# Allegro board F407_PACK_V10C.brd (continued)
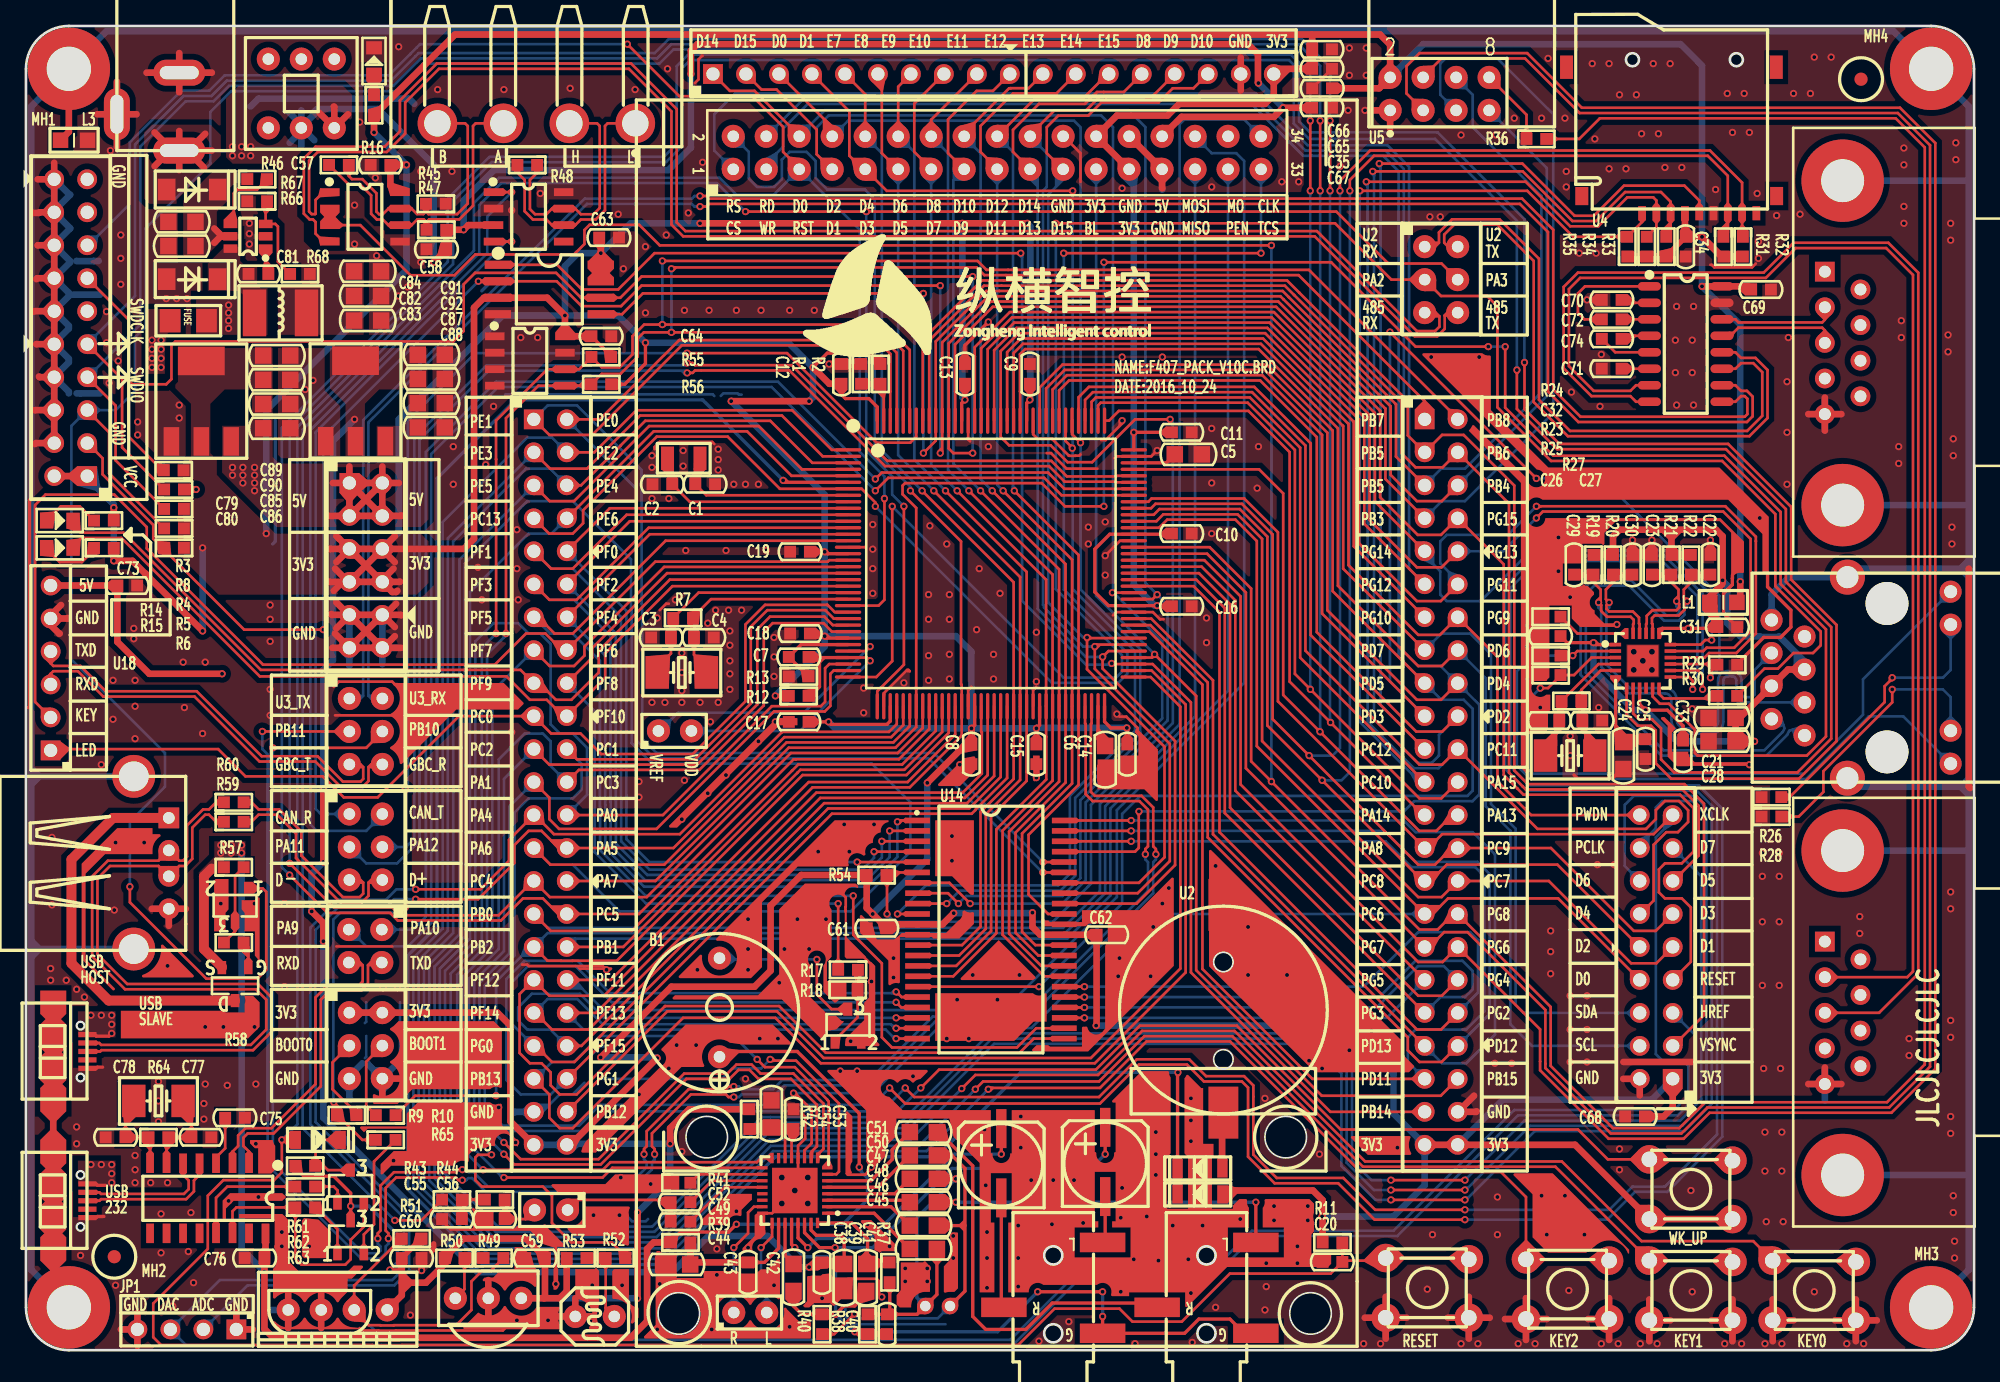
[diagram p0: board, top side]
## Routing (per net, layer and track width the routed paths; a pad name or vN(x,y) marks a point on that pad's centre or on a via; arc(x,y) is an arc through that point) (continued)
VCC_3V3_WM8978: length 108.2
  TOP w0.254: U9.31 60.45,9.25 60.85,8.85 62.75,8.85 63,8.6 C39.1
  TOP w0.508: v1(60.3,6.4) 60.94,6.4 C38.1 62.88,6.76 C39.1 ; v1(22.9,31.5) 22.9,32.9 v1(22,33.8) ; v1(22.9,43.2) v1(22.9,37.6)
  BOTTOM w0.508: v1(22,33.8) 22,36.7 v1(22.9,37.6) ; v1(22.9,43.2) 22.9,52.4 23.64,53.14 23.64,70.04 v1(25.3,71.7) ; v1(22.9,31.5) 22.9,17.9 34.78,6.02 49.78,6.02 52.56,8.8 57.1,8.8 59.5,6.4 v1(60.3,6.4)
VCC_5V: length 291.4
  TOP w0.254: v1(64.16,14.1) 64.16,18.24 59.39,23.01 53.81,23.01 B1.1 ; R39.2 49.64,8.34 50.4,9.1 53.44,9.1 53.45,9.09 53.95,9.09 53.96,9.1 54.1,9.1 v1(54.7,9.7)
  TOP w0.508: J20.3 J20.1 ; J20.3 23.24,64.26 23.2,64.3 ; J20.3 J20.2 ; J20.3 J20.4 ; J20.1 J20.2 ; J20.1 23.63,66.8 ; J20.1 J20.4 ; J20.1 24.9,68.07 ; J20.4 J20.2 ; J20.4 28.86,64.26 28.9,64.3 ; J20.2 27.44,68.07 ; J20.2 28.71,66.8 ; J13.28 88.98,95 96.1,95 v1(96.8,95.7) C67.2 ; v1(51.2,98.3) 51.2,100.09 51.71,100.6 94.1,100.6 94.86,99.84 94.86,97.64 v1(94.9,97.6) ; R39.2 48.32,8.3 47.83,7.8 47.83,2.23 46.56,0.96 28.72,0.96 28.7,0.94 26.92,0.94 26.9,0.96 19.04,0.96 18.36,1.64 v1(18.36,6.04) C76.2 18.45,7.18 U19.16 ; v1(15.1,52.1) 9.5,52.1 7.04,54.56 C73.2 U18.6 ; U11.3 34.06,86.66 v1(33.7,86.3) R47.1 C58.2 32.36,84.76 v1(31.4,83.8)
  TOP w0.762: Q2.2 15.08,29.52 13.7,30.9 13.7,36.5 14.3,37.1
  BOTTOM w0.254: v1(64.16,14.1) 64.16,13.9 64.8,13.26 64.8,11.6 62.9,9.7 v1(54.7,9.7)
  BOTTOM w0.508: v1(51.2,98.3) 51.2,92.63 49.47,90.9 36.04,90.9 33.7,88.56 v1(33.7,86.3) ; 21.2,93.9 U21.2 ; 21.2,93.9 21.2,92.7 ; 21.2,93.9 20.3,93 ; U21.2 21.25,94.15 22.2,93.2 ; U21.2 21.2,94.2 ; v1(96.8,95.7) v1(94.9,97.6) ; 21.2,94.2 21.2,94.4 ; 21.2,94.2 22.2,95.2 22.2,95.4 22.4,95.6 27.1,95.6 31.4,91.3 v1(31.4,83.8) ; 21.2,94.4 21.2,95.5 ; 21.2,94.4 20.3,95.3 ; v1(16.6,38.3) 16.6,7.8 v1(18.36,6.04)
  vias: v1(15,38.9) v1(15,38.3) v1(15.8,38.9) v1(15.8,38.3) v1(15.9,68) v1(15.9,67.4) v1(16.6,38.9) v1(16.7,68) v1(16.7,67.4) v1(16.7,66.8) v1(17.6,68) v1(17.6,67.4) v1(17.6,66.8) v1(17.6,66.2)
VCC_LAN8720A: length 76.8
  TOP w0.254: U3.9 124.25,49.75 v1(124.7,49.3) 126.39,49.3 127.6,48.09 C33.1 ; U3.1 120.85,54.35 v1(120.7,54.5) 118.66,54.5 C32.1 ; C31.1 130.14,55.6 v1(128,55.6) 126,55.6 125.75,55.35 U3.19
  TOP w0.508: J9.5 135.68,52.43 J9.4 131.8,48.55 131.8,48.54 ; 126.7,63.2 122.71,63.2 122.2,62.69 R20.1 R19.1 ; 126.7,63.2 130.13,63.2 130.64,62.69 v1(130.64,59.3) 130.61,59.27 130.61,59.09 130.6,59.08 130.6,59 129.66,58.06 L1.2 129.7,57.6 130,57.3 130,55.94 C31.1 ; 126.7,63.2 R21.1 R22.1 ; v1(133.1,46.9) C21.2 131.64,48.38 131.8,48.54 ; 131.8,48.54 C28.1
  BOTTOM w0.4: 135.01,54.99 134.93,54.99 134.93,54.99 133.51,54.99
  BOTTOM w0.508: 135.01,54.99 136.95,53.05 J9.5 ; v1(130.64,59.3) 130.64,59.26 131,58.9 131,56 132.01,54.99 133.51,54.99 ; v1(120.7,54.5) 120.7,52.4 123.8,49.3 v1(124.7,49.3) 127.1,46.9 v1(133.1,46.9)
VCC_VBAT: length 169.7
  TOP w0.254: v1(88.7,21.4) 88.67,21.37 D2.2 ; v1(58.3,67) 58.45,66.85 U1.6
  TOP w0.508: D1.2 D2.2
  BOTTOM w0.254: v1(58.3,67) 52.1,73.2 37.7,73.2 31.65,67.15 31.65,32.65 29.4,30.4 29.4,12.4 35.2,6.6 49.4,6.6 57.7,14.9 70.1,14.9 76.6,21.4 v1(88.7,21.4)
VDDA: length 24.2
  TOP w0.203: v1(65,53.1) 64.75,53.35 U1.33
  TOP w0.254: U1.33 61.1,53.35 ; 61.1,53.35 61.1,51.1 60.4,50.4 R12.1 ; 61.1,53.35 60.31,53.35 C7.2
  BOTTOM w0.203: J7.2 59.6,47.7 v1(65,53.1)
VSSA: length 7.1
  TOP w0.254: R13.1 60.24,51.9 C7.1 59.69,54.35 U1.31
1WIRE_DQ: length 82.7
  TOP w0.203: U1.124 75.55,76.88 76.6,77.92 95.25,77.92 101.81,71.37 101.81,71.37 101.83,71.34 101.83,60.47 107.2,55.1 108.88,55.1 J3.14 113.3,53.4 113.3,43.81 115.89,41.22 J14.18
485_A: length 23.8
  TOP w0.203: R46.1 24.84,89.79 25.73,89.79 26.58,88.95 26.58,87.53 27.02,87.09 27.47,87.09 27.91,86.66 U10.6 29.69,86.66 30.14,87.11 30.63,87.11 30.84,86.9 ; 30.84,86.9 31.04,87.1 33.37,87.1 34.42,88.15 34.42,94.3 34.63,94.5 J12.3 ; 30.84,86.9 R47.2
485_B: length 21.9
  TOP w0.203: J12.4 33.81,94.5 34.02,94.3 34.02,88.32 33.2,87.51 30.99,87.51 30.8,87.7 ; R46.2 24.86,90.44 25.1,90.2 25.9,90.2 26.98,89.12 26.98,87.7 27.19,87.5 27.47,87.5 27.91,87.93 U10.7 29.69,87.93 30.11,87.51 30.59,87.51 30.61,87.53 30.63,87.53 30.8,87.7 ; R45.1 30.8,87.7
BEEP: length 65
  TOP w0.203: R17.1 v1(62.54,34.4) ; J1.18 43.6,53.34 43.6,54.09 49.36,59.85 U1.20
  BOTTOM w0.203: J1.18 43.79,49.23 43.79,38.36 47.75,34.4 v1(62.54,34.4)
BOOT0: length 108.1
  TOP w0.203: v1(50.9,76.8) 58.6,76.8 65.5,69.9 68.09,69.9 68.55,70.36 U1.138 ; v1(23.7,19.1) 23.7,18.4 23.94,18.16 R9.1 24,18.1 25.9,16.2 R65.2 ; v1(29.2,34.1) v1(29.2,43.2)
  BOTTOM w0.203: v1(29.2,43.2) 29.4,43.4 29.4,71.6 34.6,76.8 v1(50.9,76.8) ; v1(23.7,19.1) 23.67,19.13 23.67,33.17 24.2,33.7 28.8,33.7 v1(29.2,34.1)
CAN_H: length 18.5
  TOP w0.203: R48.2 39.36,90.7 38.8,90.14 38.8,87.9 39.2,87.5 40.07,87.5 40.51,87.93 U11.7 42.29,87.93 42.73,87.5 43.7,87.5 44.18,87.98 44.18,94.3 43.97,94.5 J12.2
CAN_L: length 19.8
  TOP w0.203: R48.1 37.84,90.7 38.4,90.14 38.4,87.73 39.03,87.09 40.07,87.09 40.51,86.66 U11.6 42.29,86.66 42.73,87.09 43.87,87.09 44.58,87.81 44.58,94.3 44.79,94.5 J12.1
CAN_RX: length 54.4
  TOP w0.203: U11.4 v1(37.4,85.39)
  BOTTOM w0.203: v1(37.4,85.39) 36.99,85.39 22.3,70.7 22.3,41.7 22.7,41.3 J19.1
CAN_TX: length 62.8
  TOP w0.203: U11.1 v1(37.4,89.2)
  BOTTOM w0.203: J19.2 27.44,41.24 26.2,40 22.4,40 21.89,40.51 21.89,70.87 35.52,84.49 35.52,87.32 v1(37.4,89.2)
CH340_D+: length 10.8
  TOP w0.203: U19.5 13.37,13.51 12.93,13.07 12.93,12.23 12.33,11.63 5.78,11.63 5.66,11.51 USB3.3
CH340_D-: length 10.2
  TOP w0.203: U19.6 12.1,13.51 12.53,13.07 12.53,12.4 12.16,12.04 5.78,12.04 5.66,12.16 USB3.2
DCMI_D0: length 124.3
  TOP w0.203: v1(59.1,19.8) 59.21,19.8 60.49,18.51 60.49,15.94 59.95,15.4 U9.11 ; J14.8 117.98,34.8 109.5,34.8 108.3,33.6 J3.31 94.77,46.53 94.77,62.33 93.13,63.97 87.87,63.97 87.25,63.35 U1.96
  BOTTOM w0.203: J3.31 86.2,33.6 77.42,24.82 74.04,24.82 74.03,24.8 70.2,24.8 65.2,19.8 v1(59.1,19.8)
DCMI_D1: length 66.7
  TOP w0.203: U1.97 87.04,63.85 87.57,64.38 93.29,64.38 95.18,62.49 95.18,46.92 107.2,34.9 109,34.9 J3.30 117.26,36.14 123.6,29.8 125.54,29.8 J14.9
DCMI_D2: length 146
  TOP w0.203: v1(101.94,89.3) 101.94,90.14 103.8,92 129.5,92 131.04,90.46 U4.7 131.04,86.1 R31.2 ; J14.10 117.92,37.4 109.4,37.4 108.14,36.14 J3.29 107.56,36.14 v1(99.8,43.9) 95.59,48.11 95.59,62.66 93.46,64.79 87.27,64.79 86.84,64.35 U1.98
  BOTTOM w0.203: v1(101.94,89.3) 101.94,44.54 101.3,43.9 v1(99.8,43.9)
DCMI_D3: length 148.7
  TOP w0.203: U1.99 86.63,64.85 86.97,65.19 93.63,65.19 95.99,62.83 95.99,48.61 v1(98.8,45.8) 107.2,37.4 108.5,37.4 109.78,38.68 J3.28 117.42,38.68 123.8,32.3 125.5,32.3 J14.11 ; v1(101.18,89.3) 101.18,90.08 103.51,92.41 129.67,92.41 132.14,89.93 U4.8 132.14,85.82 R32.2
  BOTTOM w0.203: v1(101.18,89.3) 101.18,46.38 100.6,45.8 v1(98.8,45.8)
DCMI_D4: length 162.7
  TOP w0.203: R34.1 125.54,86.5 U4.2 125.54,88.56 125.3,88.8 123.3,88.8 121.07,86.57 118.91,86.57 115.47,90 v1(103.2,90) ; U1.112 81.55,73.19 82.15,73.79 94.41,73.79 98.52,69.68 98.52,53.88 107.3,45.1 109.04,45.1 J3.22 116.39,40.15 124.75,40.15 125.5,40.91 125.5,41.6 126.2,42.3 127.28,42.3 127.99,41.59 127.99,40.69 127.2,39.9 126.3,39.9 125.33,38.93 125.33,34.63 124.3,33.6 J14.12
  BOTTOM w0.203: J3.22 108.77,44.83 106.87,44.83 103.3,48.4 103.3,89.9 v1(103.2,90)
DCMI_D5: length 105.8
  TOP w0.203: J14.13 126.84,36.14 128.8,38.1 128.8,41.93 127.53,43.19 115.48,43.19 115.24,43.43 114.19,44.48 114.19,44.82 114.19,65.21 J3.4 109.08,68 107,68 105.9,69.1 105.9,73.03 97.65,81.28 96.93,81.99 75.12,81.99 73.77,81.99 73.18,81.41 69.55,77.78 U1.136
DCMI_D6: length 240.9
  TOP w0.203: J1.5 40.32,65.4 42.2,65.4 47.98,71.18 56.42,71.18 59.75,67.85 U1.4 ; v1(110.8,11.58) v1(105.1,11.58)
  BOTTOM w0.203: J1.5 33.38,60.9 33.38,32.05 31.05,29.72 31.05,13.08 35.83,8.31 48.73,8.31 57.12,16.7 67.65,16.7 74.55,23.6 99,23.6 101.29,21.31 101.29,14.19 103.9,11.58 v1(105.1,11.58) ; v1(110.8,11.58) 110.88,11.58 116.17,16.87 127.7,16.87 129.81,18.98 129.81,41.37 128.47,42.7 123.8,42.7 123.1,42 123.1,37.3 J14.14
DCMI_D7: length 218.5
  TOP w0.203: v1(105.1,13.1) v1(110.8,13.1) ; U1.5 58.95,67.35 55.53,70.77 48.33,70.77 J1.8
  BOTTOM w0.203: v1(105.1,13.1) 103.6,13.1 102.1,14.6 102.1,20.98 102.1,21.65 99.34,24.41 74.21,24.41 67.31,17.51 56.79,17.51 48.39,9.12 36.17,9.12 31.86,13.42 31.86,29.38 34.19,31.71 34.19,58.39 38.7,62.9 40.46,62.9 J1.8 ; v1(110.8,13.1) 115.39,17.69 127.36,17.69 128.99,19.32 128.99,36.51 126.82,38.68 J14.15
DCMI_HREF: length 237.4
  TOP w0.203: v1(30,35.5) 35,35.5 37.19,37.69 37.19,39.31 J1.25 39.18,41.22 40.65,39.75 50.35,39.75 58.2,47.6 58.23,47.63 66.45,47.63 67.05,48.22 U1.40
  BOTTOM w0.203: J14.5 126.82,25.98 128.5,24.3 128.5,19.4 127.19,18.09 114.89,18.09 105.59,8.79 94.59,8.79 91.5,5.7 81.3,5.7 76,0.4 75.96,0.4 75.96,0.39 27.4,0.39 27.4,0.4 12.32,0.4 JP1.3 14.92,5.4 28.2,5.4 29.1,6.3 29.1,10.2 21.89,17.41 21.89,32.54 23.82,34.47 24.06,34.71 27.73,34.71 28.53,35.5 v1(30,35.5)
DCMI_PCLK: length 322.8
  TOP w0.203: J1.27 40.38,37.4 49.15,37.4 58.56,46.81 66.79,46.81 68.05,48.07 U1.42 ; v1(110.8,12.34) v1(105.1,12.34)
  BOTTOM w0.203: v1(105.1,12.34) 103.79,12.34 101.69,14.43 101.69,21.14 101.69,21.48 99.17,24.01 74.38,24.01 67.48,17.11 56.96,17.11 48.56,8.71 36,8.71 31.46,13.25 31.46,29.55 33.79,31.88 33.79,60.59 38.6,65.4 42.1,65.4 46.59,60.91 46.59,57.17 46.63,57.12 46.63,46.77 48.21,45.19 65.11,45.19 68.1,42.2 68.1,38.4 63.5,33.8 45.7,33.8 42.1,37.4 40.38,37.4 J1.27 ; v1(110.8,12.34) 110.86,12.34 115.81,17.28 127.53,17.28 129.4,19.15 129.4,41.2 128.31,42.29 125.99,42.29 125.5,41.8 125.5,40.2 124.26,38.96 J14.16
DCMI_RESET: length 111.8
  TOP w0.203: J14.7 128.19,29.91 128.19,34.11 127.5,34.8 126.2,34.8 125.73,35.27 125.73,37.03 126.2,37.5 127.49,37.5 128.39,38.4 128.39,41.76 127.36,42.79 115.31,42.79 114.84,43.26 113.79,44.31 113.79,44.65 113.79,44.99 113.79,60.53 J3.8 108.96,62.8 107.16,62.8 104.27,65.69 104.27,72.35 104.24,72.38 104.24,72.38 96.26,80.37 74.44,80.37 73.86,79.78 71.54,77.46 71.54,73.85 71.55,73.84 U1.132
DCMI_SCL: length 97.9
  TOP w0.203: U1.122 76.55,73.84 76.54,73.85 76.54,76.71 76.93,77.11 94.92,77.11 99.3,72.73 99.3,72.72 101.02,71.01 101.02,58.88 107.2,52.7 109.02,52.7 J3.16
  BOTTOM w0.203: J3.16 112.4,51.76 112.4,41.9 114.3,40 114.3,25.1 115.96,23.44 J14.4
DCMI_SDA: length 97.3
  TOP w0.203: J3.15 101.43,60.19 101.43,71.17 101.4,71.2 101.4,71.2 95.09,77.52 76.77,77.52 76.05,76.8 U1.123
  BOTTOM w0.203: J14.6 115.32,25.98 114.71,26.59 114.71,40.17 112.81,42.07 112.81,53.59 111.2,55.2 108.98,55.2 J3.15
DCMI_VSYNC: length 120.2
  TOP w0.203: J14.3 126.84,23.44 129.21,25.81 129.21,41.57 129.21,42.09 127.7,43.6 115.65,43.6 114.6,44.65 114.6,66.6 110.7,70.5 109.04,70.5 J3.3 106.4,70.46 106.4,73.1 98.05,81.45 97.1,82.4 75.28,82.4 73.6,82.4 73.02,81.82 69.05,77.85 U1.137
DCMI_XCLK: length 219.6
  TOP w0.203: J14.17 125.33,39.75 109.05,39.75 107.98,38.68 J3.27 96.4,49.98 96.4,63 93.8,65.6 86.67,65.6 86.42,65.35 U1.100 ; R51.2 28.9,8.6 25.3,5 25.27,5 U13.3 25.27,3.03 26.38,1.92 27.3,1.92 27.32,1.91 28.3,1.91 28.32,1.92 33.12,1.92 34.3,3.1 34.3,5.3 35.1,6.1 35.76,6.1 R49.1
  BOTTOM w0.203: U13.3 27.57,0.8 75.79,0.8 81.12,6.13 91.33,6.13 94.4,9.2 105.3,9.2 114.6,18.5 126.9,18.5 128,19.6 128,21.9 127.6,22.3 126,22.3 125.5,22.8 125.5,39.5 126.8,40.8 J14.17
DTR#: length 9.2
  TOP w0.203: U19.13 14.63,11.73 15.5,12.6 R62.2
ETH_MDC: length 256.1
  TOP w0.203: v1(66.5,20.2) 67.7,19 82.7,19 85.7,22 89.4,22 90.46,20.94 90.7,20.7 93.63,20.7 94.1,20.23 94.1,14.9 96.14,12.86 101.04,12.86 103.85,10.05 v1(110.8,10.05) ; U3.13 128.05,51.85 128.34,51.56 v1(128.34,50.9) ; U1.27 62.2,56.35 61.55,57 57.08,57 55.81,55.73 55.81,49.81 51.51,45.51 42.43,45.51 J1.22
  BOTTOM w0.203: v1(128.34,50.9) 128.34,51.24 128.69,51.6 128.69,58.08 125.99,60.79 116.39,60.79 114.3,58.7 114.3,44.95 115.74,43.51 128.81,43.51 130.62,41.71 130.62,16.44 126.37,12.19 123.89,12.19 121.75,10.05 v1(110.8,10.05) ; J1.22 42.79,45.15 42.79,43.19 42.1,42.5 38.7,42.5 37.62,41.42 37.62,30.39 35.33,28.1 35.33,18.67 36.71,17.29 42.59,17.29 44.2,18.9 65.2,18.9 v1(66.5,20.2)
ETH_MDIO: length 164.7
  TOP w0.203: R30.2 133.86,52.5 134.9,52.5 136.1,53.7 137.6,53.7 138.19,54.29 138.19,55.36 134.7,58.85 134.7,64.4 130.61,68.49 117.43,68.49 113.3,72.63 113.3,80.4 112.5,81.2 108.96,81.2 J17.3 105.14,82.46 100.8,86.8 v1(79.3,86.8) ; v1(66.7,65) 66.7,53.07 65.48,51.85 U1.36
  BOTTOM w0.203: v1(79.3,86.8) 79.3,58.63 84.39,53.53 84.39,52.27 83.93,51.81 79.89,51.81 v1(66.7,65)
ETH_RESET: length 126.4
  TOP w0.203: v1(105.02,78.42) v1(116.3,67.15) ; v1(129.7,51.8) 129.7,52.26 R29.1 130.19,52.85 U3.15 ; U1.117 79.05,74 80.15,75.1 95.2,75.1 99.8,70.5 99.8,56.74 J3.19
  BOTTOM w0.203: v1(129.7,51.8) 129.7,51.9 130.4,52.6 130.4,58.1 121.35,67.15 v1(116.3,67.15) ; v1(105.02,78.42) 105.02,51.52 J3.19
F_CS: length 128.6
  TOP w0.203: v1(83.6,52.9) 83.65,52.85 U1.75 86.75,52.85 89.7,49.9 89.7,29.1 100.44,18.36 J3.43 ; U15.1 40.9,83.61 42.8,81.7 45.6,81.7 48.4,84.5 v1(76.6,84.5)
  BOTTOM w0.203: v1(83.6,52.9) 83.5,52.8 81.63,52.8 76.7,57.73 76.7,84.4 v1(76.6,84.5)
FSMC_A0: length 70.3
  TOP w0.203: U1.10 44.95,64.85 J1.10 ; U14.5 v1(64,37.6)
  BOTTOM w0.203: v1(64,37.6) 48,37.6 46.24,39.36 46.24,42.71 46.23,42.72 46.23,56.95 J1.10
FSMC_A1: length 77.2
  TOP w0.203: J1.9 40.44,60.2 42.1,60.2 46.25,64.35 U1.11 ; U14.4 v1(65.3,38.4)
  BOTTOM w0.203: J1.9 40.44,60.2 42.1,60.2 45.82,56.48 45.82,42.55 45.83,42.54 45.83,39.19 48.01,37.01 64.39,37.01 65.3,37.92 v1(65.3,38.4)
FSMC_A2: length 71.2
  TOP w0.203: U14.3 v1(65.9,39.2) ; J1.12 46.49,63.85 U1.12
  BOTTOM w0.203: v1(65.9,39.2) 65.9,37.95 64.56,36.61 47.84,36.61 45.43,39.02 45.43,42.37 45.41,42.39 45.41,55.23 J1.12
FSMC_A3: length 78.2
  TOP w0.203: U1.13 47.95,63.35 42.4,57.8 40.3,57.8 J1.11 ; U14.2 v1(66.5,40)
  BOTTOM w0.203: J1.11 40.3,57.8 42.2,57.8 45.01,54.99 45.01,42.22 45.02,42.21 45.02,38.86 47.67,36.2 64.73,36.2 66.5,37.97 v1(66.5,40)
FSMC_A4: length 72.3
  TOP w0.203: v1(67.1,40.7) 67.2,40.8 U14.1 ; J1.14 48.03,62.85 U1.14
  BOTTOM w0.203: J1.14 44.6,53.5 44.6,42.05 44.61,42.04 44.61,38.69 47.6,35.7 64.8,35.7 67.1,38 v1(67.1,40.7)
FSMC_A5: length 96.5
  TOP w0.203: v1(63.7,35) 63.7,32 65.9,29.8 65.9,24.1 66.68,23.32 76.31,23.32 77.79,24.8 U14.24 ; J1.13 39.44,56.46 40.7,55.2 42.1,55.2 49.25,62.35 U1.15
  BOTTOM w0.203: J1.13 40.36,55.2 42.1,55.2 44.19,53.11 44.19,41.88 44.21,41.87 44.21,38.52 47.73,35 v1(63.7,35)
FSMC_A6: length 158.5
  TOP w0.203: v1(68.1,66.2) 72,62.3 72,51.3 72.05,51.25 U1.50 72.05,47.35 68.05,43.35 60.56,43.35 44.51,27.3 40.3,27.3 39.1,28.5 J1.35 38.01,27.43 38.01,22.89 38.8,22.1 39.7,22.1 40.4,21.4 40.4,20.4 41.1,19.7 42.4,19.7 49.2,26.5 49.21,26.5 49.21,26.51 57.99,26.51 61.59,22.91 76.51,22.91 77.6,24 U14.23
  BOTTOM w0.203: v1(68.1,66.2) 68.1,66.5 65.36,69.24 65.36,88.64 64.6,89.4 61.7,89.4 60.8,90.3 60.8,91.6 60.1,92.3 58.8,92.3 58.2,91.7 58.2,90.2 57.6,89.6 56.3,89.6 55.65,90.25 55.65,92.31 J13.2
FSMC_A7: length 72.6
  TOP w0.203: U1.53 73.55,47.65 73.6,47.6 73.6,44.42 72.12,42.95 60.86,42.95 43.89,25.98 J1.38 ; U14.22 v1(67,24)
  BOTTOM w0.203: v1(67,24) 66.9,24 66.2,24.7 42.92,24.7 J1.38
FSMC_A8: length 79.8
  TOP w0.203: U1.54 74.05,44.3 72.29,42.54 61.16,42.54 43.32,24.7 40.5,24.7 39.22,25.98 J1.37 ; U14.21 v1(67,24.8)
  BOTTOM w0.203: v1(67,24.8) 66.9,24.8 66.59,25.11 44.39,25.11 42.45,27.05 40.17,27.05 J1.37
FSMC_A9: length 84.4
  TOP w0.203: J1.40 42.77,23.44 61.46,42.13 72.46,42.13 74.55,44.22 U1.55 ; U14.20 v1(67,25.6)
  BOTTOM w0.203: v1(67,25.6) 44.5,25.6 42.65,27.45 38.95,27.45 37.9,26.4 37.9,25.4 38.6,24.7 40.38,24.7 J1.40
FSMC_A10: length 89.7
  TOP w0.203: U1.56 75.05,44.15 72.63,41.73 61.76,41.73 42.23,22.2 40.5,22.2 39.26,23.44 J1.39 ; U14.19 67.4,26.4 v1(67,26.8)
  BOTTOM w0.203: v1(67,26.8) 45.1,26.8 42.31,29.59 38.66,29.59 37.4,28.33 37.4,25.14 J1.39
FSMC_A11: length 95.9
  TOP w0.203: J1.42 62.06,41.32 72.82,41.32 73.09,41.59 73.09,41.62 75.55,44.07 U1.57 ; v1(67,27.6) 67.03,27.6 67.43,27.2 U14.18
  BOTTOM w0.203: v1(67,27.6) 66.9,27.5 44.97,27.5 42.48,29.99 38.39,29.99 36.99,28.59 36.99,20.81 38.1,19.7 40.4,19.7 41.6,20.9 J1.42
FSMC_A12: length 89.7
  TOP w0.203: U14.28 v1(81.5,28) ; J3.38 108.96,24.7 107.1,24.7 91.9,39.9 91.9,56.86 89.91,58.85 U1.87
  BOTTOM w0.203: v1(81.5,28) 103,28 107.2,32.2 111.2,32.2 111.81,31.59 111.81,27.55 J3.38
FSMC_A13: length 84.3
  TOP w0.203: U1.88 90.11,59.35 92.31,57.16 92.31,41.37 J3.37 ; U14.27 v1(81.5,27.2)
  BOTTOM w0.203: v1(81.5,27.2) 104.2,27.2 106.99,29.99 110.61,29.99 111.4,29.2 111.4,27.8 110.8,27.2 108.92,27.2 J3.37
FSMC_A14: length 80.2
  TOP w0.203: J3.36 109.02,27.3 107.2,27.3 92.71,41.79 92.71,57.46 90.32,59.85 U1.89 ; U14.26 v1(81.5,26.4)
  BOTTOM w0.203: v1(81.5,26.4) 104,26.4 107.19,29.59 109.17,29.59 J3.36
FSMC_A15: length 73.1
  TOP w0.203: J3.35 93.12,43.1 93.12,57.76 90.53,60.35 U1.90 ; U14.25 v1(81.5,25.6)
  BOTTOM w0.203: v1(81.5,25.6) 104.78,25.6 J3.35
FSMC_A16: length 103.8
  TOP w0.203: U1.80 86.5,55.35 90.59,51.26 90.59,29.36 99.05,20.9 J3.41 ; U14.42 v1(85.1,39.2)
  BOTTOM w0.203: v1(85.1,39.2) 104.7,39.2 106.69,37.21 111.59,37.21 112.3,36.5 112.3,26.1 110.9,24.7 107,24.7 106.4,24.1 106.4,22.2 J3.41
FSMC_A17: length 95.4
  TOP w0.203: J3.40 109,22.2 107.3,22.2 106.4,23.1 106.4,24.09 90.99,39.5 90.99,51.43 86.58,55.85 U1.81 ; U14.43 v1(85.1,40)
  BOTTOM w0.203: J3.40 112.7,25.9 112.71,25.9 112.71,36.67 111.76,37.61 106.99,37.61 104.6,40 v1(85.1,40)
FSMC_A18: length 98
  TOP w0.203: U14.44 v1(85.1,40.8) ; J3.39 91.4,39.74 91.4,51.6 86.65,56.35 U1.82
  BOTTOM w0.203: v1(85.1,40.8) 106.1,40.8 107,39.9 111.4,39.9 113.11,38.19 113.11,24.31 110.9,22.1 109.04,22.1 J3.39
FSMC_D0: length 114.3
  TOP w0.203: U14.7 71.1,36 v1(72.7,34.4) ; v1(87.1,58.2) 86.75,57.85 U1.85 ; J13.6 59.54,93.56 56.1,97 54.2,97 J4.1
  BOTTOM w0.203: J13.6 59.54,93.54 61.51,95.51 84.89,95.51 86.2,94.2 86.2,59.1 v1(87.1,58.2) 87.9,57.4 87.9,48.5 81.6,42.2 81.6,36.2 79.8,34.4 v1(72.7,34.4)
FSMC_D1: length 115.5
  TOP w0.203: J4.2 56.64,97.1 57.8,97.1 60.89,94.01 60.89,92.11 62.04,90.96 J13.7 ; U14.8 71,35.2 v1(71.8,34.4) ; U1.86 v1(83.65,58.35)
  BOTTOM w0.203: v1(71.8,34.4) 72.39,34.99 79.81,34.99 81.19,36.37 81.19,42.37 81.43,42.61 87.49,48.67 87.49,54.61 83.7,58.4 ; J13.7 62.04,90.96 60.89,92.11 60.89,94.19 61.81,95.11 82.79,95.11 83.7,94.2 83.7,58.4 ; 83.7,58.4 v1(83.65,58.35)
FSMC_D2: length 103
  TOP w0.203: v1(81.2,69.9) 80.55,70.55 U1.114 ; J13.8 62.08,94.2 J4.3 ; U14.9 v1(70.9,34.4)
  BOTTOM w0.203: v1(70.9,34.4) 71.89,35.39 79.64,35.39 80.79,36.54 80.79,42.54 81.26,43.01 85.8,47.55 85.8,54 81.2,58.6 v1(81.2,69.9) 81.2,94.2 80.7,94.7 63.3,94.7 62.1,93.5 J13.8
FSMC_D3: length 100.9
  TOP w0.203: v1(80.6,89.3) 66.28,89.3 J13.9 64.44,90.96 63.4,92 63.4,95.42 J4.4 ; U1.115 80.05,70.03 80.57,69.51 v1(80.57,69.48) ; U14.10 v1(67.1,33.6)
  BOTTOM w0.203: v1(80.6,89.3) 80.6,69.51 v1(80.57,69.48) 80.57,69.47 80.6,69.43 80.6,58.63 85.39,53.83 85.39,47.72 81.09,43.42 80.38,42.71 80.38,36.71 79.48,35.8 69.3,35.8 v1(67.1,33.6)
FSMC_D4: length 77.6
  TOP w0.203: J13.10 64.62,96.74 J4.5 ; v1(69,66.2) 76.05,59.15 U1.58 76.05,44 73.5,41.45 73.5,32.62 72.08,31.2 U14.13
  BOTTOM w0.203: J13.10 64.62,93.48 65.9,92.2 65.9,69.3 v1(69,66.2)
FSMC_D5: length 77.6
  TOP w0.203: J13.11 67.14,90.96 65.9,92.2 65.9,98 J4.6 ; U14.14 71.85,30.4 73.91,32.46 73.91,41.28 76.55,43.92 U1.59 76.55,59.55 v1(69.9,66.2)
  BOTTOM w0.203: J13.11 67.16,68.94 v1(69.9,66.2)
FSMC_D6: length 78.5
  TOP w0.203: U14.15 71.63,29.6 74.31,32.29 74.31,41.11 77.05,43.85 77.05,44.54 77.04,44.55 77.04,47.25 77.05,47.26 U1.60 77.05,59.95 v1(70.8,66.2) ; J4.7 67.16,97.32 J13.12
  BOTTOM w0.203: J13.12 67.2,93.5 68.4,92.3 68.4,68.6 v1(70.8,66.2)
FSMC_D7: length 80.4
  TOP w0.203: U14.16 71.4,28.8 74.72,32.12 74.72,40.12 78.56,43.96 78.56,47.25 78.55,47.26 U1.63 78.55,59.35 v1(71.7,66.2) ; J4.8 68.4,96.02 68.4,92.3 69.7,91 J13.13
  BOTTOM w0.203: v1(71.7,66.2) 69.7,68.2 J13.13
FSMC_D8: length 79.3
  TOP w0.203: J13.14 69.7,94.78 J4.9 ; v1(72.6,66.2) 79.05,59.75 U1.64 79.05,43.88 75.2,40.03 75.2,32 78.4,28.8 U14.29
  BOTTOM w0.203: v1(72.6,66.2) 71,67.8 71,92.2 J13.14
FSMC_D9: length 80
  TOP w0.203: J4.10 74.46,97 73.2,97 71,94.8 71,92.2 J13.15 ; v1(73.5,66.2) 79.55,60.15 U1.65 79.55,43.8 75.7,39.95 75.7,32.07 78.17,29.6 U14.30
  BOTTOM w0.203: v1(73.5,66.2) 71.41,68.29 71.41,90.13 J13.15
FSMC_D10: length 78.8
  TOP w0.203: J4.11 77.21,97.21 75.83,97.21 75.83,97.2 75.7,97.2 72.24,93.74 J13.16 ; v1(74.4,66.2) 80.05,60.55 U1.66 80.05,43.73 76.2,39.88 76.2,32.15 77.95,30.4 U14.31
  BOTTOM w0.203: v1(74.4,66.2) 73.5,67.1 73.5,92.2 72.24,93.46 J13.16
FSMC_D11: length 79.3
  TOP w0.203: U14.32 77.72,31.2 76.7,32.22 76.7,39.8 80.55,43.65 U1.67 80.55,60.89 v1(75.24,66.2) ; J4.12 79.35,96.81 77.66,96.81 77.66,96.81 77.51,96.81 77.51,96.8 76,96.8 73.5,94.3 73.5,92.3 74.78,91.02 J13.17
  BOTTOM w0.203: J13.17 74.78,66.66 v1(75.24,66.2)
FSMC_D12: length 76.6
  TOP w0.203: J4.13 83.28,98.3 81.38,96.41 77.83,96.41 77.83,96.4 77.68,96.4 J13.18 ; U14.35 78.7,33.6 77.2,35.1 77.2,39.7 81.05,43.55 U1.68 81.05,61.25 v1(76.1,66.2)
  BOTTOM w0.203: v1(76.1,66.2) 76,66.3 76,92.3 74.8,93.5 J13.18
FSMC_D13: length 86.6
  TOP w0.203: J13.19 77.32,90.98 76,92.3 76,94 78,96 81.55,96 82.46,96.91 82.97,96.91 84.53,96.91 J4.14 ; U1.77 83.35,53.85 v1(82.9,53.4) 82.9,52.5 88.48,46.92 88.48,37.37 85.51,34.4 U14.36
  BOTTOM w0.203: v1(82.9,53.4) 81.6,53.4 77.9,57.1 77.9,90.38 J13.19
FSMC_D14: length 86.5
  TOP w0.203: J4.15 86.67,96.51 83.14,96.51 82.63,96.51 81.63,95.5 79.2,95.5 77.32,93.62 J13.20 ; U14.37 85.6,35.2 88.07,37.67 88.07,46.71 82.3,52.48 v1(82.3,54.2) 82.45,54.35 U1.78
  BOTTOM w0.203: J13.20 77.32,93.48 78.6,92.2 78.6,89.6 78.31,89.31 78.31,57.42 78.39,57.33 78.39,57.21 81.4,54.2 v1(82.3,54.2)
FSMC_D15: length 87.4
  TOP w0.203: U1.79 81.75,54.85 v1(81.7,54.9) 81.7,52.45 87.67,46.48 87.67,37.97 85.7,36 U14.38 ; J4.16 89.9,97.2 88.3,97.2 87.2,96.1 82.8,96.1 81.79,95.09 79.49,95.09 78.6,94.2 78.6,92.2 79.84,90.96 J13.21
  BOTTOM w0.203: J13.21 79.86,90.16 78.72,89.02 78.72,57.58 81.4,54.9 v1(81.7,54.9)
FSMC_NBL0: length 97.7
  TOP w0.203: U14.39 v1(78.3,36.8) ; U1.141 67.05,76.82 66.07,77.81 50.33,77.81 50.33,77.8 50.29,77.8 44.19,71.7 J1.2
  BOTTOM w0.203: J1.2 46.99,66.35 46.99,57.34 47.04,57.29 47.04,46.94 48.38,45.59 69.48,45.59 78.27,36.8 v1(78.3,36.8)
FSMC_NBL1: length 104.2
  TOP w0.203: U1.142 66.55,73.84 66.56,73.85 66.56,76.74 65.9,77.4 50.5,77.4 43.6,70.5 40.3,70.5 J1.1 ; U14.40 v1(78.3,37.6)
  BOTTOM w0.203: J1.1 40.17,72.77 42.43,72.77 47.4,67.8 47.4,57.5 47.44,57.46 47.44,47.1 48.55,46 69.9,46 v1(78.3,37.6)
FSMC_NE3: length 130.9
  TOP w0.203: v1(88.1,71.7) 85.4,71.7 82.1,68.4 80.2,68.4 78.9,69.7 75.7,69.7 75.05,70.35 U1.125 75.05,76.95 76.44,78.34 95.42,78.34 102.21,71.54 102.21,71.54 102.24,71.51 102.24,61.92 J3.13 ; v1(66.3,33.6) 66.3,36.56 R54.2 66.46,36.8 U14.6
  BOTTOM w0.203: v1(88.1,71.7) 88.31,71.49 88.31,48.31 82.01,42.01 82.01,35.93 81.77,35.69 79.07,33 66.87,33 66.3,33.57 v1(66.3,33.6)
FSMC_NE4: length 147.2
  TOP w0.203: J3.11 103.05,63.65 103.05,71.85 103.03,71.87 103.03,71.88 95.75,79.15 76.1,79.15 74.05,77.1 U1.127
  BOTTOM w0.203: J3.11 106.5,60.2 106.5,91.15 105.31,92.34 104.84,92.81 98.69,92.81 94.7,96.8 54.6,96.8 53,95.2 53,92.4 54.44,90.96 J13.1
FSMC_NOE: length 193.4
  TOP w0.203: U14.41 85.4,38.4 85.68,38.69 85.68,41.48 v1(85.7,41.5) ; J3.18 108.96,50.1 107.1,50.1 100.21,56.99 100.21,70.67 95.37,75.51 79.98,75.51 78.55,74.08 U1.118
  BOTTOM w0.203: J13.4 59.89,96.39 94.53,96.39 98.52,92.41 98.86,92.41 104.67,92.41 104.91,92.17 106.09,90.98 106.09,53.81 107.2,52.7 108.92,52.7 J3.18 111.9,49.72 111.9,42.8 111.39,42.29 106.89,42.29 106.1,41.5 v1(85.7,41.5)
FSMC_NWE: length 208.5
  TOP w0.203: U14.17 v1(78,28) ; U1.119 78.05,73.84 78.06,73.85 78.06,74.16 79.81,75.91 95.54,75.91 100.61,70.84 100.61,58.47 J3.17
  BOTTOM w0.203: v1(78,28) 84.41,34.41 84.41,41.31 85.79,42.69 110.99,42.69 111.4,43.1 111.4,49.4 110.7,50.1 108.98,50.1 J3.17 105.7,53.38 105.7,53.63 105.69,53.64 105.69,90.81 104.5,92 99.02,92 98.35,92 94.36,95.99 60.19,95.99 58.3,94.1 58.3,92.7 57,91.4 J13.3
GBC_KEY: length 90.6
  TOP w0.203: U1.18 61.85,60.85 61.74,60.74 48.46,60.74 J1.16 41.28,53.92 40,55.2 38.5,55.2 36.11,52.81 18.25,52.81 9.3,61.76 9.3,63.4 6.8,65.9 1.5,65.9 0.7,65.1 0.7,49.94 U18.2
GBC_LED: length 75.2
  TOP w0.203: U18.1 2,46.3 14.8,46.3 16.9,44.2 22.85,44.2 24.47,42.58 27.08,42.58 33.34,48.84 J1.19 40.44,47.5 42.7,47.5 44.28,45.92 51.35,45.92 55.4,49.97 55.4,55.9 56.91,57.41 61.69,57.41 61.69,57.41 61.72,57.41 62.27,56.85 U1.26
GBC_RX: length 31.5
  TOP w0.203: J18.6 26.58,45.12 26.37,44.92 26.37,43.83 25.93,43.39 24.23,43.39 22.28,45.34 17.98,45.34 12.98,50.35 5.95,50.35 4,52.3 2.1,52.3 1.9,52.1 U18.3
GBC_TX: length 30.9
  TOP w0.203: U18.4 1.9,52.91 2.1,52.71 4.19,52.71 6.15,50.75 13.15,50.75 18.15,45.75 22.45,45.75 24.4,43.8 25.76,43.8 25.97,44 25.97,44.92 25.76,45.12 J18.5
I2S_LRCK: length 109.8
  TOP w0.203: v1(57.3,22.4) 57.4,22.3 59.3,22.3 62.6,19 62.6,13.75 62.4,13.55 U9.7 ; U1.73 86.6,51.85 88.89,49.56 88.89,29.39 82,22.51 61.42,22.51 57.83,26.1 49.38,26.1 J1.44